# Altium PCB sla2216.PcbDoc (part 3 of 3) (continued)
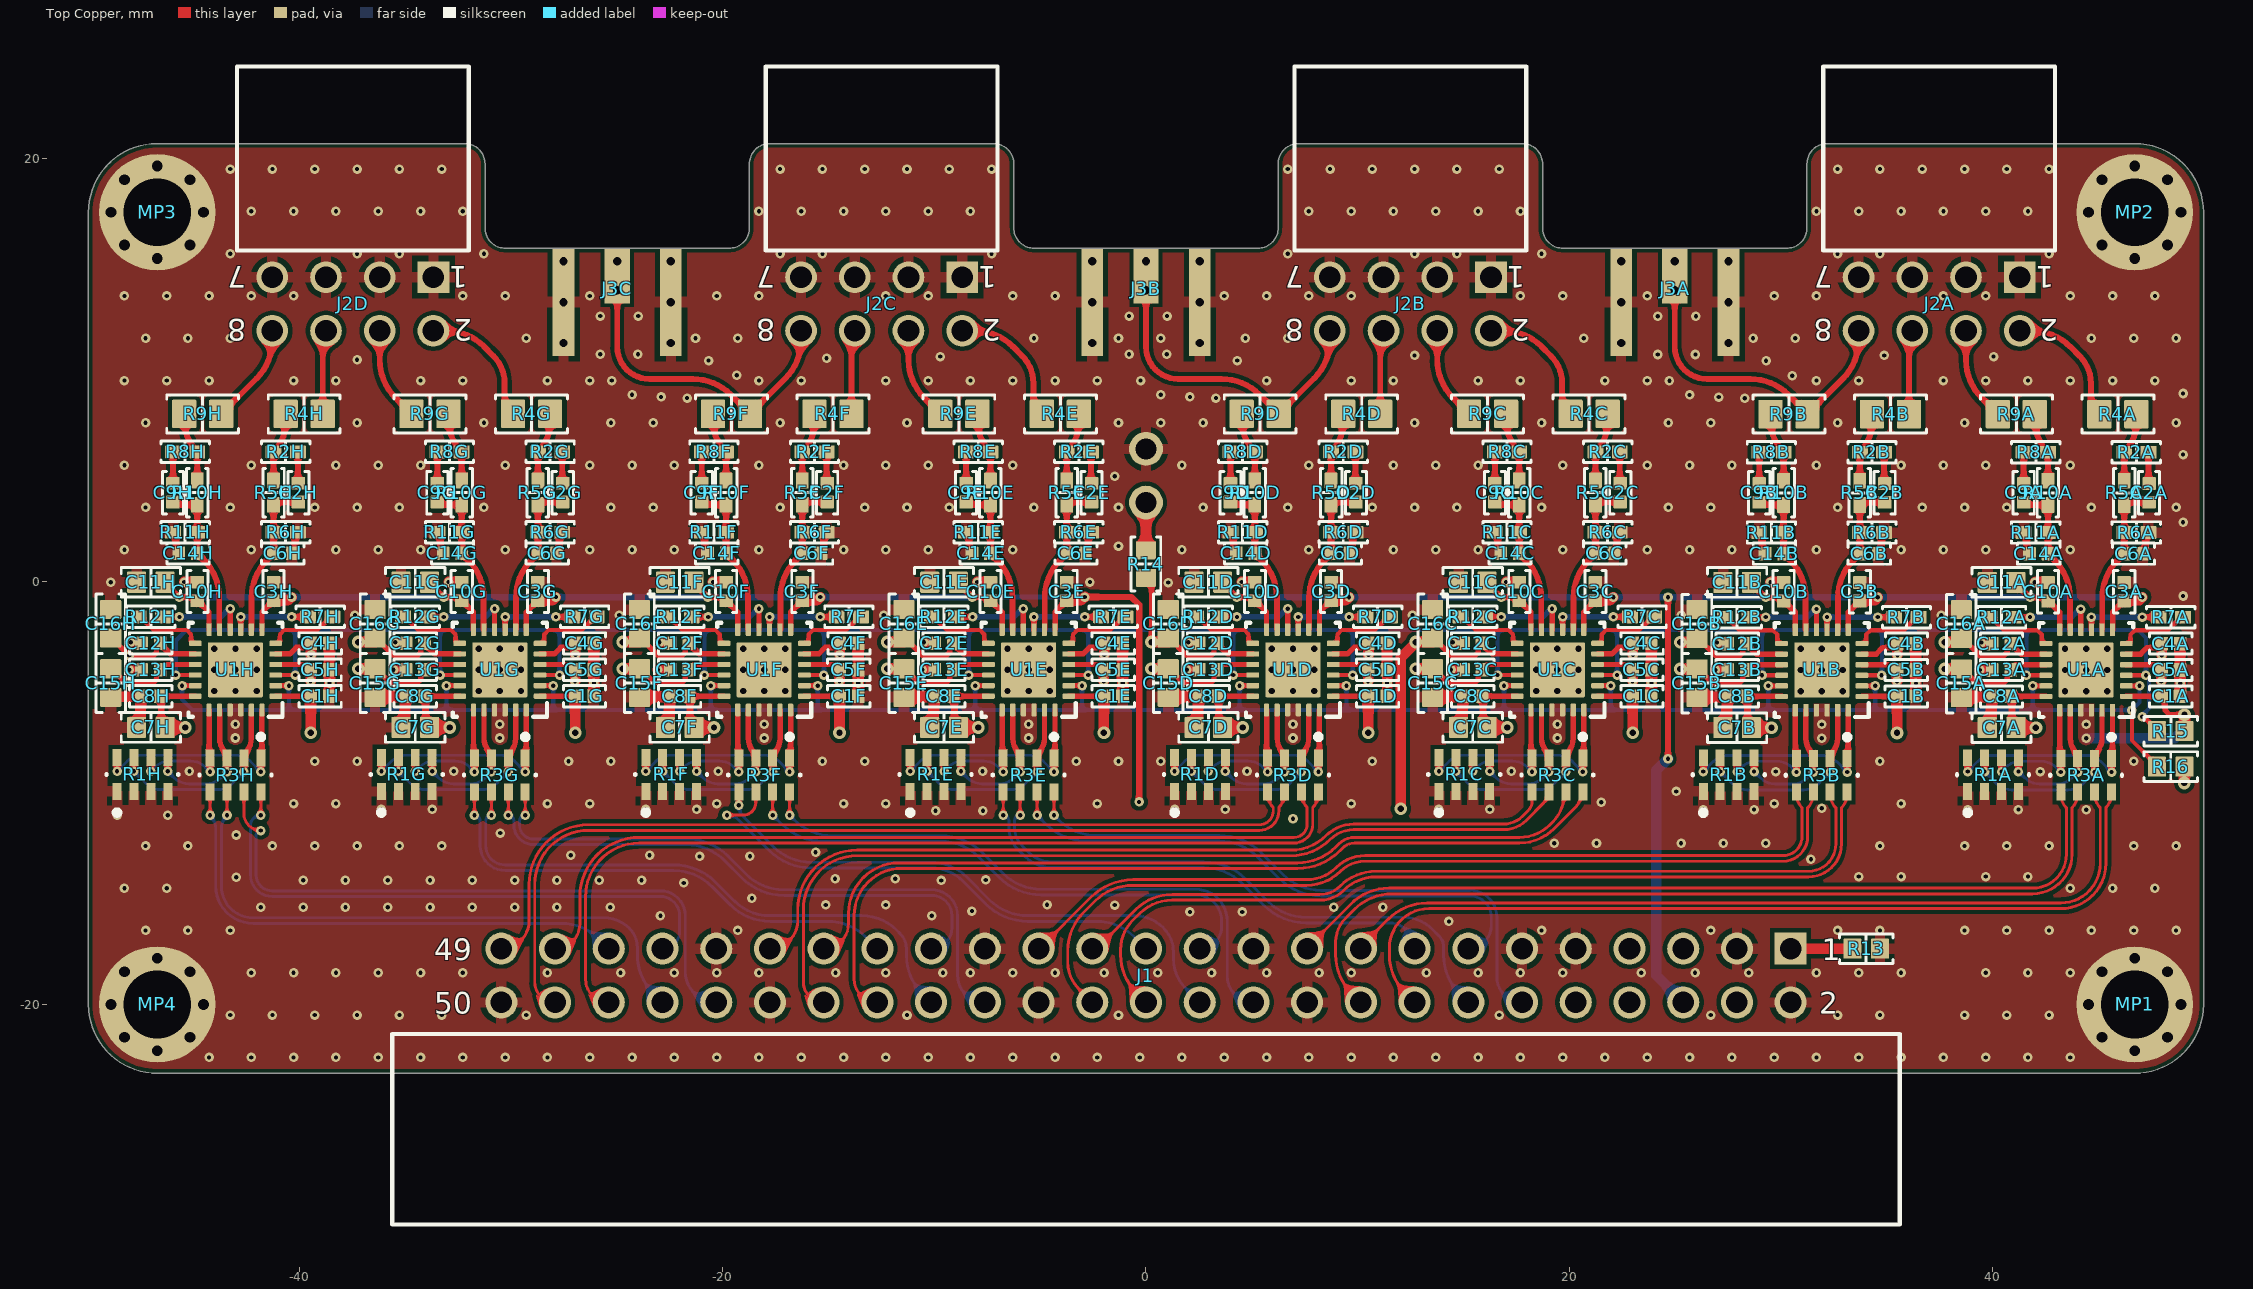
[diagram p0: Top Copper view]
## Nets (pads, with @x,y where several pads share a name; then routed paths per layer and width w, separated by ;. In a path a pad name is that pad's centre, name@x,y a point inside that pad or via, vN(x,y) a via of type N, cw(c..) or ccw(c..) an arc to the next point about the centre after c; other vN are vias at no path point) (continued)
QBD_N: R1D.6 R3D.4 U1D.19 | length 6.7
  Top Copper w0.254: v1(2.95,-8.975) R1D.6@2.95,-8.325 ; U1D.19@5.7,-6.075 U1D.19@5.7,-6.075 5.702,-8.302 R3D.4@5.75,-8.35 v1(5.75,-9)
  Bottom Copper w0.139: v1(2.95,-8.975) 3.144,-8.781 cw(c3.845,-9.481) 3.845,-8.49 4.83,-8.49 cw(c4.83,-9.481) 5.531,-8.781 v1(5.75,-9)
QBD_P: R1D.5 R3D.3 U1D.20 | length 6.9
  Top Copper w0.254: v1(3.75,-8.975) R1D.5@3.75,-8.325 ; U1D.20@6.2,-6.075 6.2,-7.405 ccw(c7.191,-7.405) R3D.3@6.552,-8.163 ; v1(6.55,-9) R3D.3@6.55,-8.165
  Bottom Copper w0.139: v1(3.75,-8.975) 4.05,-9.275 ccw(c4.751,-8.575) 4.751,-9.565 5.574,-9.565 ccw(c5.574,-8.575) 6.275,-9.275 v1(6.55,-9)
QBE_N: R1E.6 R3E.4 U1E.19 | length 6.7
  Top Copper w0.254: v1(-9.55,-8.975) R1E.6@-9.55,-8.325 ; U1E.19@-6.8,-6.075 -6.798,-6.077 -6.798,-8.302 R3E.4@-6.75,-8.35 v1(-6.75,-9)
  Bottom Copper w0.139: v1(-9.55,-8.975) -9.356,-8.781 cw(c-8.655,-9.481) -8.655,-8.49 -7.67,-8.49 cw(c-7.67,-9.481) -6.969,-8.781 v1(-6.75,-9)
QBE_P: R1E.5 R3E.3 U1E.20 | length 6.9
  Top Copper w0.254: v1(-8.75,-8.975) R1E.5@-8.75,-8.325 ; U1E.20@-6.3,-6.075 -6.3,-7.405 ccw(c-5.309,-7.405) R3E.3@-5.948,-8.163 ; v1(-5.95,-9) R3E.3@-5.95,-8.165
  Bottom Copper w0.139: v1(-8.75,-8.975) -8.45,-9.275 ccw(c-7.749,-8.575) -7.749,-9.565 -6.926,-9.565 ccw(c-6.926,-8.575) -6.225,-9.275 v1(-5.95,-9)
QBF_N: R1F.6 R3F.4 U1F.19 | length 6.7
  Top Copper w0.254: v1(-22.05,-8.975) R1F.6@-22.05,-8.325 ; U1F.19@-19.3,-6.075 -19.298,-6.077 -19.298,-8.302 R3F.4@-19.25,-8.35 v1(-19.25,-9)
  Bottom Copper w0.139: v1(-22.05,-8.975) -21.856,-8.781 cw(c-21.155,-9.481) -21.155,-8.49 -20.17,-8.49 cw(c-20.17,-9.481) -19.469,-8.781 v1(-19.25,-9)
QBF_P: R1F.5 R3F.3 U1F.20 | length 6.9
  Top Copper w0.254: v1(-21.25,-8.975) R1F.5@-21.25,-8.325 ; U1F.20@-18.8,-6.075 -18.8,-7.405 ccw(c-17.809,-7.405) R3F.3@-18.448,-8.163 ; v1(-18.45,-9) R3F.3@-18.45,-8.165
  Bottom Copper w0.139: v1(-21.25,-8.975) -20.95,-9.275 ccw(c-20.249,-8.575) -20.249,-9.565 -19.426,-9.565 ccw(c-19.426,-8.575) -18.725,-9.275 v1(-18.45,-9)
QBG_N: R1G.6 R3G.4 U1G.19 | length 6.7
  Top Copper w0.254: v1(-34.55,-8.975) R1G.6@-34.55,-8.325 ; U1G.19@-31.8,-6.075 -31.798,-6.077 -31.798,-8.302 R3G.4@-31.75,-8.35 v1(-31.75,-9)
  Bottom Copper w0.139: v1(-34.55,-8.975) -34.356,-8.781 cw(c-33.655,-9.481) -33.655,-8.49 -32.67,-8.49 cw(c-32.67,-9.481) -31.969,-8.781 v1(-31.75,-9)
QBG_P: R1G.5 R3G.3 U1G.20 | length 6.9
  Top Copper w0.254: v1(-33.75,-8.975) R1G.5@-33.75,-8.325 ; U1G.20@-31.3,-6.075 -31.3,-7.405 ccw(c-30.309,-7.405) R3G.3@-30.948,-8.163 ; v1(-30.95,-9) R3G.3@-30.95,-8.165
  Bottom Copper w0.139: v1(-33.75,-8.975) -33.45,-9.275 ccw(c-32.749,-8.575) -32.749,-9.565 -31.926,-9.565 ccw(c-31.926,-8.575) -31.225,-9.275 v1(-30.95,-9)
QBH_N: R1H.6 R3H.4 U1H.19 | length 6.7
  Top Copper w0.254: v1(-47.05,-8.975) R1H.6@-47.05,-8.325 ; U1H.19@-44.3,-6.075 U1H.19@-44.3,-6.075 -44.298,-8.302 R3H.4@-44.25,-8.35 v1(-44.25,-9)
  Bottom Copper w0.139: v1(-47.05,-8.975) -46.856,-8.781 cw(c-46.155,-9.481) -46.155,-8.49 -45.17,-8.49 cw(c-45.17,-9.481) -44.469,-8.781 v1(-44.25,-9)
QBH_P: R1H.5 R3H.3 U1H.20 | length 6.9
  Top Copper w0.254: v1(-46.25,-8.975) R1H.5@-46.25,-8.325 ; U1H.20@-43.8,-6.075 -43.8,-7.405 ccw(c-42.809,-7.405) R3H.3@-43.448,-8.163 ; v1(-43.45,-9) R3H.3@-43.45,-8.165
  Bottom Copper w0.139: v1(-46.25,-8.975) -45.95,-9.275 ccw(c-45.249,-8.575) -45.249,-9.565 -44.426,-9.565 ccw(c-44.426,-8.575) -43.725,-9.275 v1(-43.45,-9)
RHREFAA: R7A.1 U1A.9 | length 3.8
  Top Copper w0.254: U1A.9@44.7,-2.285 v1(44.7,-1.685) ; v1(47.1,-1.685) R7A.1@47.88,-1.685
  Bottom Copper w0.254: v1(44.7,-1.685) v1(47.1,-1.685)
RHREFAB: R7B.1 U1B.9 | length 3.8
  Top Copper w0.254: U1B.9@32.2,-2.285 v1(32.2,-1.685) ; v1(34.6,-1.685) R7B.1@35.38,-1.685
  Bottom Copper w0.254: v1(32.2,-1.685) v1(34.6,-1.685)
RHREFAC: R7C.1 U1C.9 | length 3.8
  Top Copper w0.254: U1C.9@19.7,-2.275 v1(19.7,-1.675) ; v1(22.1,-1.675) R7C.1@22.88,-1.675
  Bottom Copper w0.254: v1(19.7,-1.675) v1(22.1,-1.675)
RHREFAD: R7D.1 U1D.9 | length 3.8
  Top Copper w0.254: U1D.9@7.2,-2.275 v1(7.2,-1.675) ; v1(9.6,-1.675) R7D.1@10.38,-1.675
  Bottom Copper w0.254: v1(7.2,-1.675) v1(9.6,-1.675)
RHREFAE: R7E.1 U1E.9 | length 3.8
  Top Copper w0.254: U1E.9@-5.3,-2.275 v1(-5.3,-1.675) ; v1(-2.9,-1.675) R7E.1@-2.12,-1.675
  Bottom Copper w0.254: v1(-5.3,-1.675) v1(-2.9,-1.675)
RHREFAF: R7F.1 U1F.9 | length 3.8
  Top Copper w0.254: U1F.9@-17.8,-2.275 v1(-17.8,-1.675) ; v1(-15.4,-1.675) R7F.1@-14.62,-1.675
  Bottom Copper w0.254: v1(-17.8,-1.675) v1(-15.4,-1.675)
RHREFAG: R7G.1 U1G.9 | length 3.8
  Top Copper w0.254: U1G.9@-30.3,-2.275 v1(-30.3,-1.675) ; v1(-27.9,-1.675) R7G.1@-27.12,-1.675
  Bottom Copper w0.254: v1(-30.3,-1.675) v1(-27.9,-1.675)
RHREFAH: R7H.1 U1H.9 | length 3.8
  Top Copper w0.254: U1H.9@-42.8,-2.275 v1(-42.8,-1.675) ; v1(-40.4,-1.675) R7H.1@-39.62,-1.675
  Bottom Copper w0.254: v1(-42.8,-1.675) v1(-40.4,-1.675)
RHREFBA: R12A.1 U1A.10 | length 4.3
  Top Copper w0.254: R12A.1@41.02,-1.685 v1(41.8,-1.685) ; U1A.10@44.2,-2.285 v1(44.2,-1.304)
  Bottom Copper w0.254: v1(41.8,-1.685) 43.766,-1.685 44.147,-1.304 v1(44.2,-1.304)
RHREFBB: R12B.1 U1B.10 | length 4.3
  Top Copper w0.254: R12B.1@28.52,-1.685 v1(29.3,-1.685) ; U1B.10@31.7,-2.285 v1(31.7,-1.304)
  Bottom Copper w0.254: v1(29.3,-1.685) 31.266,-1.685 31.647,-1.304 v1(31.7,-1.304)
RHREFBC: R12C.1 U1C.10 | length 4.3
  Top Copper w0.254: R12C.1@16.02,-1.675 v1(16.8,-1.675) ; U1C.10@19.2,-2.275 v1(19.2,-1.294)
  Bottom Copper w0.254: v1(16.8,-1.675) 18.766,-1.675 19.147,-1.294 v1(19.2,-1.294)
RHREFBD: R12D.1 U1D.10 | length 4.3
  Top Copper w0.254: R12D.1@3.52,-1.675 v1(4.3,-1.675) ; U1D.10@6.7,-2.275 v1(6.7,-1.294)
  Bottom Copper w0.254: v1(4.3,-1.675) 6.266,-1.675 6.647,-1.294 v1(6.7,-1.294)
RHREFBE: R12E.1 U1E.10 | length 4.3
  Top Copper w0.254: R12E.1@-8.98,-1.675 v1(-8.2,-1.675) ; U1E.10@-5.8,-2.275 v1(-5.8,-1.294)
  Bottom Copper w0.254: v1(-8.2,-1.675) -6.234,-1.675 -5.853,-1.294 v1(-5.8,-1.294)
RHREFBF: R12F.1 U1F.10 | length 4.3
  Top Copper w0.254: R12F.1@-21.48,-1.675 v1(-20.7,-1.675) ; U1F.10@-18.3,-2.275 v1(-18.3,-1.294)
  Bottom Copper w0.254: v1(-20.7,-1.675) -18.734,-1.675 -18.353,-1.294 v1(-18.3,-1.294)
RHREFBG: R12G.1 U1G.10 | length 4.3
  Top Copper w0.254: R12G.1@-33.98,-1.675 v1(-33.2,-1.675) ; U1G.10@-30.8,-2.275 v1(-30.8,-1.294)
  Bottom Copper w0.254: v1(-33.2,-1.675) -31.234,-1.675 -30.853,-1.294 v1(-30.8,-1.294)
RHREFBH: R12H.1 U1H.10 | length 4.3
  Top Copper w0.254: R12H.1@-46.48,-1.675 v1(-45.7,-1.675) ; U1H.10@-43.3,-2.275 v1(-43.3,-1.294)
  Bottom Copper w0.254: v1(-45.7,-1.675) -43.734,-1.675 -43.353,-1.294 v1(-43.3,-1.294)
RHYSAA: R7A.2 U1A.6 | length 3.4
  Top Copper w0.2: U1A.6@46.35,-2.935 46.525,-2.935 46.55,-2.91 46.55,-2.51 46.75,-2.31 48.325,-2.31 48.95,-1.685 R7A.2@49.025,-1.685
RHYSAB: R7B.2 U1B.6 | length 3.4
  Top Copper w0.2: U1B.6@33.85,-2.935 34.025,-2.935 34.05,-2.91 34.05,-2.51 34.25,-2.31 35.825,-2.31 36.45,-1.685 R7B.2@36.525,-1.685
RHYSAC: R7C.2 U1C.6 | length 3.4
  Top Copper w0.2: U1C.6@21.35,-2.925 21.525,-2.925 21.55,-2.9 21.55,-2.5 21.75,-2.3 23.325,-2.3 23.95,-1.675 R7C.2@24.025,-1.675
RHYSAD: R7D.2 U1D.6 | length 3.4
  Top Copper w0.2: U1D.6@8.85,-2.925 9.025,-2.925 9.05,-2.9 9.05,-2.5 9.25,-2.3 10.825,-2.3 11.45,-1.675 R7D.2@11.525,-1.675
RHYSAE: R7E.2 U1E.6 | length 3.4
  Top Copper w0.2: U1E.6@-3.65,-2.925 -3.475,-2.925 -3.45,-2.9 -3.45,-2.5 -3.25,-2.3 -1.675,-2.3 -1.05,-1.675 R7E.2@-0.975,-1.675
RHYSAF: R7F.2 U1F.6 | length 3.4
  Top Copper w0.2: U1F.6@-16.15,-2.925 -15.975,-2.925 -15.95,-2.9 -15.95,-2.5 -15.75,-2.3 -14.175,-2.3 -13.55,-1.675 R7F.2@-13.475,-1.675
RHYSAG: R7G.2 U1G.6 | length 3.4
  Top Copper w0.2: U1G.6@-28.65,-2.925 -28.475,-2.925 -28.45,-2.9 -28.45,-2.5 -28.25,-2.3 -26.675,-2.3 -26.05,-1.675 R7G.2@-25.975,-1.675
RHYSAH: R7H.2 U1H.6 | length 3.4
  Top Copper w0.2: U1H.6@-41.15,-2.925 -40.975,-2.925 -40.95,-2.9 -40.95,-2.5 -40.75,-2.3 -39.175,-2.3 -38.55,-1.675 R7H.2@-38.475,-1.675
RHYSBA: R12A.2 U1A.13 | length 3.4
  Top Copper w0.2: R12A.2@39.875,-1.685 39.95,-1.685 40.575,-2.31 42.15,-2.31 42.35,-2.51 42.35,-2.91 42.375,-2.935 U1A.13@42.55,-2.935
RHYSBB: R12B.2 U1B.13 | length 3.4
  Top Copper w0.2: R12B.2@27.375,-1.685 27.45,-1.685 28.075,-2.31 29.65,-2.31 29.85,-2.51 29.85,-2.91 29.875,-2.935 U1B.13@30.05,-2.935
RHYSBC: R12C.2 U1C.13 | length 3.4
  Top Copper w0.2: R12C.2@14.875,-1.675 14.95,-1.675 15.575,-2.3 17.15,-2.3 17.35,-2.5 17.35,-2.9 17.375,-2.925 U1C.13@17.55,-2.925
RHYSBD: R12D.2 U1D.13 | length 3.4
  Top Copper w0.2: R12D.2@2.375,-1.675 2.45,-1.675 3.075,-2.3 4.65,-2.3 4.85,-2.5 4.85,-2.9 4.875,-2.925 U1D.13@5.05,-2.925
RHYSBE: R12E.2 U1E.13 | length 3.4
  Top Copper w0.2: R12E.2@-10.125,-1.675 -10.05,-1.675 -9.425,-2.3 -7.85,-2.3 -7.65,-2.5 -7.65,-2.9 -7.625,-2.925 U1E.13@-7.45,-2.925
RHYSBF: R12F.2 U1F.13 | length 3.4
  Top Copper w0.2: R12F.2@-22.625,-1.675 -22.55,-1.675 -21.925,-2.3 -20.35,-2.3 -20.15,-2.5 -20.15,-2.9 -20.125,-2.925 U1F.13@-19.95,-2.925
RHYSBG: R12G.2 U1G.13 | length 3.4
  Top Copper w0.2: R12G.2@-35.125,-1.675 -35.05,-1.675 -34.425,-2.3 -32.85,-2.3 -32.65,-2.5 -32.65,-2.9 -32.625,-2.925 U1G.13@-32.45,-2.925
RHYSBH: R12H.2 U1H.13 | length 3.4
  Top Copper w0.2: R12H.2@-47.625,-1.675 -47.55,-1.675 -46.925,-2.3 -45.35,-2.3 -45.15,-2.5 -45.15,-2.9 -45.125,-2.925 U1H.13@-44.95,-2.925
VREF0_7: C3A.2 C3B.2 C3C.2 C3D.2 C10A.2 C10B.2 C10C.2 C10D.2 C11A.1 C11B.1 C11C.1 C11D.1 J1.6 U1A.7 U1A.12 U1B.7 U1B.12 U1C.7 U1C.12 U1D.7 U1D.12 | length 86.8
  Top Copper w0.254: C11D.1@3.625,-0.035 3.625,-0.085 4.282,-0.742 v1(4.3,-0.742) 4.977,-0.742 C10D.2@5.15,-0.915 5.17,-0.915 5.698,-1.443 5.698,-2.273 U1D.12@5.7,-2.275 ; U1D.7@8.2,-2.275 8.202,-2.273 8.202,-1.443 8.73,-0.915 C3D.2@8.75,-0.915 ; C11C.1@16.125,-0.035 16.125,-0.085 16.782,-0.742 v1(16.8,-0.742) 17.477,-0.742 C10C.2@17.65,-0.915 17.67,-0.915 18.198,-1.443 18.198,-2.273 U1C.12@18.2,-2.275 ; U1C.7@20.7,-2.275 20.702,-2.273 20.702,-1.443 C3C.2@21.23,-0.915 ; C11B.1@28.625,-0.045 28.625,-0.095 29.282,-0.752 v1(29.3,-0.752) 29.977,-0.752 C10B.2@30.15,-0.925 30.17,-0.925 30.698,-1.453 30.698,-2.283 U1B.12@30.7,-2.285 ; U1B.7@33.2,-2.285 33.202,-2.283 33.202,-1.453 C3B.2@33.73,-0.925 ; C11A.1@41.125,-0.045 41.125,-0.095 41.782,-0.752 v1(41.8,-0.752) 42.477,-0.752 C10A.2@42.65,-0.925 42.67,-0.925 43.198,-1.453 U1A.12@43.2,-2.285 U1A.12@43.2,-2.285 ; U1A.7@45.7,-2.285 U1A.7@45.7,-2.285 45.702,-1.453 46.23,-0.925 C3A.2@46.25,-0.925
  Top Copper w0.3: v1(24.68,-8.378) v1(24.68,-0.742)
  Top Copper w0.5: C3D.2@8.75,-0.915 8.8,-0.865 9.477,-0.865 v1(9.6,-0.742) ; C3C.2@21.25,-0.915 21.3,-0.865 21.977,-0.865 v1(22.1,-0.742) ; C3B.2@33.75,-0.925 33.8,-0.875 34.467,-0.875 v1(34.6,-0.742) ; C3A.2@46.25,-0.925 46.3,-0.875 46.967,-0.875 v1(47.1,-0.742)
  Bottom Copper w0.3: v1(4.3,-0.742) v1(9.6,-0.742) v1(16.8,-0.742) v1(22.1,-0.742) v1(24.68,-0.742) v1(34.6,-0.742) v1(47.1,-0.742)
  Bottom Copper w0.5: v1(24.68,-8.378) 24.125,-8.933 24.125,-18.625 J1.6@25.4,-19.9
VREF8_15: C3E.2 C3F.2 C3G.2 C3H.2 C10E.2 C10F.2 C10G.2 C10H.2 C11E.1 C11F.1 C11G.1 C11H.1 J1.5 U1E.7 U1E.12 U1F.7 U1F.12 U1G.7 U1G.12 U1H.7 U1H.12 | length 117.4
  Top Copper w0.254: C11H.1@-46.375,-0.035 -46.375,-0.085 -45.718,-0.742 v1(-45.7,-0.742) -45.023,-0.742 C10H.2@-44.85,-0.915 -44.83,-0.915 -44.302,-1.443 -44.302,-2.273 U1H.12@-44.3,-2.275 ; U1H.7@-41.8,-2.275 -41.798,-2.273 -41.798,-1.443 -41.27,-0.915 C3H.2@-41.25,-0.915 ; C11G.1@-33.875,-0.035 -33.875,-0.085 v1@-33.218,-0.742 ; v1@-33.2,-0.742 -32.523,-0.742 C10G.2@-32.35,-0.915 -32.33,-0.915 -31.802,-1.443 -31.802,-2.273 U1G.12@-31.8,-2.275 ; U1G.7@-29.3,-2.275 -29.298,-2.273 -29.298,-1.443 -28.77,-0.915 C3G.2@-28.75,-0.915 ; C11F.1@-21.375,-0.035 -21.375,-0.085 v1(-20.725,-0.735) -20.718,-0.742 -20.023,-0.742 C10F.2@-19.85,-0.915 -19.83,-0.915 -19.302,-1.443 -19.302,-2.273 U1F.12@-19.3,-2.275 ; U1F.7@-16.8,-2.275 -16.798,-2.273 -16.798,-1.443 -16.27,-0.915 C3F.2@-16.25,-0.915 ; C11E.1@-8.875,-0.035 -8.875,-0.085 v1(-8.225,-0.735) -8.218,-0.742 -7.523,-0.742 C10E.2@-7.35,-0.915 -7.33,-0.915 -6.802,-1.443 -6.802,-2.273 U1E.12@-6.8,-2.275 ; U1E.7@-4.3,-2.275 -4.298,-2.273 -4.298,-1.443 -3.77,-0.915 C3E.2@-3.75,-0.915
  Top Copper w0.3: v1(-2.9,-0.735) -0.69,-0.735 -0.325,-1.1 v1(-0.325,-10.425)
  Top Copper w0.5: C3H.2@-41.25,-0.915 -41.2,-0.865 -40.527,-0.865 v1(-40.4,-0.738) ; C3G.2@-28.75,-0.915 -28.7,-0.865 -28.027,-0.865 v1(-27.9,-0.738) ; C3F.2@-16.25,-0.915 -16.2,-0.865 -15.527,-0.865 v1(-15.4,-0.738) ; C3E.2@-3.75,-0.915 -3.7,-0.865 -3.03,-0.865 v1(-2.9,-0.735)
  Power w0.5: v1(-0.325,-10.425) 1.25,-12 1.25,-20.7 2.008,-21.458 23.567,-21.458 24.125,-20.9 24.125,-18.635 J1.5@25.4,-17.36
  Bottom Copper w0.254: v1(-45.7,-0.742) v1@-45.697,-0.738 ; v1@-8.228,-0.738 v1(-8.225,-0.735) v1(-2.9,-0.735)
  Bottom Copper w0.3: v1@-45.697,-0.738 v1(-40.4,-0.738) v1(-27.9,-0.738) v1(-15.4,-0.738) v1@-8.228,-0.738
  other v1: -33.2,-0.735

## Polygon pours and split planes (outlines as drawn)
GND on Top Copper "NONET_L-01_P-001" (solid, remove dead copper, pour order 142): -50,-20 ccw(c-46.75,-20) -46.75,-23.25 46.75,-23.25 ccw(c46.75,-20) 50,-20 50,17.455 ccw(c46.75,17.455) 46.75,20.705 32.212,20.705 ccw(c32.212,19.743) 31.25,19.743 31.25,16.717 cw(c30.288,16.717) 30.288,15.755 19.712,15.755 cw(c19.712,16.717) 18.75,16.717 18.75,19.743 ccw(c17.788,19.743) 17.788,20.705 7.212,20.705 ccw(c7.212,19.743) 6.25,19.743 6.25,16.717 cw(c5.288,16.717) 5.288,15.755 -5.288,15.755 cw(c-5.288,16.717) -6.25,16.717 -6.25,19.743 ccw(c-7.212,19.743) -7.212,20.705 -17.788,20.705 ccw(c-17.788,19.743) -18.75,19.743 -18.75,16.717 cw(c-19.712,16.717) -19.712,15.755 -30.288,15.755 cw(c-30.288,16.717) -31.25,16.717 -31.25,19.743 ccw(c-32.212,19.743) -32.212,20.705 -46.75,20.705 ccw(c-46.75,17.455) -50,17.455
+2V5 on Top Copper "NONET_L-01_P-001" (solid, remove dead copper, pour order 116): 44.075,-5.785 44.825,-5.785 44.825,-7.36 cw(c44.45,-7.36) 44.45,-7.735 cw(c44.45,-7.36) 44.075,-7.36 44.075,-6.085
+2V5 on Top Copper "NONET_L-01_P-001" (solid, remove dead copper, pour order 118): 31.575,-5.785 32.325,-5.785 32.325,-7.36 cw(c31.95,-7.36) 31.95,-7.735 cw(c31.95,-7.36) 31.575,-7.36 31.575,-6.085
+2V5 on Top Copper "NONET_L-01_P-001" (solid, remove dead copper, pour order 113): 19.075,-5.775 19.825,-5.775 19.825,-7.35 cw(c19.45,-7.35) 19.45,-7.725 cw(c19.45,-7.35) 19.075,-7.35 19.075,-6.075
+2V5 on Top Copper "NONET_L-01_P-001" (solid, remove dead copper, pour order 114): 6.575,-5.775 7.325,-5.775 7.325,-7.35 cw(c6.95,-7.35) 6.95,-7.725 cw(c6.95,-7.35) 6.575,-7.35 6.575,-6.075
+2V5 on Top Copper "NONET_L-01_P-001" (solid, remove dead copper, pour order 117): -5.925,-5.775 -5.175,-5.775 -5.175,-7.35 cw(c-5.55,-7.35) -5.55,-7.725 cw(c-5.55,-7.35) -5.925,-7.35 -5.925,-6.075
+2V5 on Top Copper "NONET_L-01_P-001" (solid, remove dead copper, pour order 119): -18.425,-5.775 -17.675,-5.775 -17.675,-7.35 cw(c-18.05,-7.35) -18.05,-7.725 cw(c-18.05,-7.35) -18.425,-7.35 -18.425,-6.075
+2V5 on Top Copper "NONET_L-01_P-001" (solid, remove dead copper, pour order 115): -30.925,-5.775 -30.175,-5.775 -30.175,-7.35 cw(c-30.55,-7.35) -30.55,-7.725 cw(c-30.55,-7.35) -30.925,-7.35 -30.925,-6.075
+2V5 on Top Copper "NONET_L-01_P-001" (solid, remove dead copper, pour order 112): -43.425,-5.775 -42.675,-5.775 -42.675,-7.35 cw(c-43.05,-7.35) -43.05,-7.725 cw(c-43.05,-7.35) -43.425,-7.35 -43.425,-6.075
+2V5 on Bottom Copper "NONET_L-01_P-001" (solid, remove dead copper, pour order 140): 44.725,-7.088 44.725,-6.781 ccw(c44.319,-6.781) 44.319,-6.375 -45.494,-6.375 ccw(c-45.494,-6.781) -45.9,-6.781 -45.9,-7.16 -45.9,-7.37 ccw(c-45.595,-7.37) -45.595,-7.675 21.059,-7.675 cw(c21.059,-8.666) 22.05,-8.666 22.05,-17.375 ccw(c22.85,-17.375) 22.85,-18.175 ccw(c22.85,-17.375) 23.65,-17.375 23.65,-8.666 cw(c24.641,-8.666) 24.641,-7.675 44.45,-7.675 ccw(c44.45,-7.4) 44.725,-7.4
GND on Bottom Copper "NONET_L-01_P-001" (solid, remove dead copper, pour order 145): -50,-20 ccw(c-46.75,-20) -46.75,-23.25 46.75,-23.25 ccw(c46.75,-20) 50,-20 50,17.455 ccw(c46.75,17.455) 46.75,20.705 32.212,20.705 ccw(c32.212,19.743) 31.25,19.743 31.25,16.717 cw(c30.288,16.717) 30.288,15.755 19.712,15.755 cw(c19.712,16.717) 18.75,16.717 18.75,19.743 ccw(c17.788,19.743) 17.788,20.705 7.212,20.705 ccw(c7.212,19.743) 6.25,19.743 6.25,16.717 cw(c5.288,16.717) 5.288,15.755 -5.288,15.755 cw(c-5.288,16.717) -6.25,16.717 -6.25,19.743 ccw(c-7.212,19.743) -7.212,20.705 -17.788,20.705 ccw(c-17.788,19.743) -18.75,19.743 -18.75,16.717 cw(c-19.712,16.717) -19.712,15.755 -30.288,15.755 cw(c-30.288,16.717) -31.25,16.717 -31.25,19.743 ccw(c-32.212,19.743) -32.212,20.705 -46.75,20.705 ccw(c-46.75,17.455) -50,17.455
-2V5 on Bottom Copper "NONET_L-01_P-001" (solid, remove dead copper, pour order 138): 41.625,-6.085 47.275,-6.085 47.275,-2.31 41.625,-2.31
-2V5 on Bottom Copper "NONET_L-01_P-001" (solid, remove dead copper, pour order 134): 29.125,-6.085 34.775,-6.085 34.775,-2.31 29.125,-2.31
-2V5 on Bottom Copper "NONET_L-01_P-001" (solid, remove dead copper, pour order 137): 16.625,-6.075 22.275,-6.075 22.275,-2.3 16.625,-2.3
-2V5 on Bottom Copper "NONET_L-01_P-001" (solid, remove dead copper, pour order 133): 4.125,-6.075 9.775,-6.075 9.775,-2.3 4.125,-2.3
-2V5 on Bottom Copper "NONET_L-01_P-001" (solid, remove dead copper, pour order 136): -8.375,-6.075 -2.725,-6.075 -2.725,-2.3 -8.375,-2.3
-2V5 on Bottom Copper "NONET_L-01_P-001" (solid, remove dead copper, pour order 139): -20.875,-6.075 -15.225,-6.075 -15.225,-2.3 -20.875,-2.3
-2V5 on Bottom Copper "NONET_L-01_P-001" (solid, remove dead copper, pour order 132): -33.375,-6.075 -27.725,-6.075 -27.725,-2.3 -33.375,-2.3
-2V5 on Bottom Copper "NONET_L-01_P-001" (solid, remove dead copper, pour order 135): -45.875,-6.075 -40.225,-6.075 -40.225,-2.3 -45.875,-2.3
-2V5 on Power "NONET_L-01_P-001" (solid, remove dead copper, pour order 130): 50,-10.3 48.109,-10.3 cw(c48.109,-9.716) 47.525,-9.716 47.525,-8.444 ccw(c46.941,-8.444) 46.941,-7.86 -47.891,-7.86 cw(c-47.891,-7.275) -48.475,-7.275 -48.475,-2.684 cw(c-47.891,-2.684) -47.891,-2.1 50,-2.1
GND on Power "NONET_L-01_P-001" (solid, remove dead copper, pour order 144): -50,-20 ccw(c-46.75,-20) -46.75,-23.25 46.75,-23.25 ccw(c46.75,-20) 50,-20 50,17.455 ccw(c46.75,17.455) 46.75,20.705 32.212,20.705 ccw(c32.212,19.743) 31.25,19.743 31.25,16.717 cw(c30.288,16.717) 30.288,15.755 19.712,15.755 cw(c19.712,16.717) 18.75,16.717 18.75,19.743 ccw(c17.788,19.743) 17.788,20.705 7.212,20.705 ccw(c7.212,19.743) 6.25,19.743 6.25,16.717 cw(c5.288,16.717) 5.288,15.755 -5.288,15.755 cw(c-5.288,16.717) -6.25,16.717 -6.25,19.743 ccw(c-7.212,19.743) -7.212,20.705 -17.788,20.705 ccw(c-17.788,19.743) -18.75,19.743 -18.75,16.717 cw(c-19.712,16.717) -19.712,15.755 -30.288,15.755 cw(c-30.288,16.717) -31.25,16.717 -31.25,19.743 ccw(c-32.212,19.743) -32.212,20.705 -46.75,20.705 ccw(c-46.75,17.455) -50,17.455
no net on Top Paste "NONET_L-01_P-001" (solid): 45.15,17.455 ccw(c46.75,17.455) 46.75,15.855 ccw(c46.75,17.455) 48.35,17.455 ccw(c46.75,17.455) 46.75,19.055 ccw(c46.75,17.455)
no net on Top Paste "NONET_L-01_P-001" (solid): -48.35,17.455 ccw(c-46.75,17.455) -46.75,15.855 ccw(c-46.75,17.455) -45.15,17.455 ccw(c-46.75,17.455) -46.75,19.055 ccw(c-46.75,17.455)
no net on Top Paste "NONET_L-01_P-001" (solid): 45.15,-20 ccw(c46.75,-20) 46.75,-21.6 ccw(c46.75,-20) 48.35,-20 ccw(c46.75,-20) 46.75,-18.4 ccw(c46.75,-20)
no net on Top Paste "NONET_L-01_P-001" (solid): -48.35,-20 ccw(c-46.75,-20) -46.75,-21.6 ccw(c-46.75,-20) -45.15,-20 ccw(c-46.75,-20) -46.75,-18.4 ccw(c-46.75,-20)
GND on Ground "NONET_L-01_P-001" (solid, remove dead copper, pour order 143): -50,-20 ccw(c-46.75,-20) -46.75,-23.25 46.75,-23.25 ccw(c46.75,-20) 50,-20 50,17.455 ccw(c46.75,17.455) 46.75,20.705 32.212,20.705 ccw(c32.212,19.743) 31.25,19.743 31.25,16.717 cw(c30.288,16.717) 30.288,15.755 19.712,15.755 cw(c19.712,16.717) 18.75,16.717 18.75,19.743 ccw(c17.788,19.743) 17.788,20.705 7.212,20.705 ccw(c7.212,19.743) 6.25,19.743 6.25,16.717 cw(c5.288,16.717) 5.288,15.755 -5.288,15.755 cw(c-5.288,16.717) -6.25,16.717 -6.25,19.743 ccw(c-7.212,19.743) -7.212,20.705 -17.788,20.705 ccw(c-17.788,19.743) -18.75,19.743 -18.75,16.717 cw(c-19.712,16.717) -19.712,15.755 -30.288,15.755 cw(c-30.288,16.717) -31.25,16.717 -31.25,19.743 ccw(c-32.212,19.743) -32.212,20.705 -46.75,20.705 ccw(c-46.75,17.455) -50,17.455
-2V5 on Ground "NONET_L-01_P-001" (solid, remove dead copper, pour order 128): 43.15,-5.485 45.75,-5.485 45.75,-2.885 43.15,-2.885
-2V5 on Ground "NONET_L-01_P-001" (solid, remove dead copper, pour order 127): 30.65,-5.485 33.25,-5.485 33.25,-2.885 30.65,-2.885
-2V5 on Ground "NONET_L-01_P-001" (solid, remove dead copper, pour order 123): 18.15,-5.475 20.75,-5.475 20.75,-2.875 18.15,-2.875
-2V5 on Ground "NONET_L-01_P-001" (solid, remove dead copper, pour order 121): 5.65,-5.475 8.25,-5.475 8.25,-2.875 5.65,-2.875
-2V5 on Ground "NONET_L-01_P-001" (solid, remove dead copper, pour order 125): -6.85,-5.475 -4.25,-5.475 -4.25,-2.875 -6.85,-2.875
-2V5 on Ground "NONET_L-01_P-001" (solid, remove dead copper, pour order 124): -19.35,-5.475 -16.75,-5.475 -16.75,-2.875 -19.35,-2.875
-2V5 on Ground "NONET_L-01_P-001" (solid, remove dead copper, pour order 122): -31.85,-5.475 -29.25,-5.475 -29.25,-2.875 -31.85,-2.875
-2V5 on Ground "NONET_L-01_P-001" (solid, remove dead copper, pour order 126): -44.35,-5.475 -41.75,-5.475 -41.75,-2.875 -44.35,-2.875

## Silkscreen, mask and mechanical layers (free items; w line width, h text height)
Bottom Overlay:
  lines w0.254: -6.5,-15.4 6.5,-15.4 6.5,-10.2 -6.5,-10.2 -6.5,-15.4
  text "sla2216 (MSO5xxx)" at 6.5,-12.052 h1.5
  text "mar-2023 (r2)" at 6.5,-13.552 h1.75
  text "JLCJLCJLCJLC" at 6.5,-15.2 h1
Top Mask:
  region: 32.5,16.1 32.5,20.1 42.5,20.1 42.5,16.1
  region: 7.5,16.1 7.5,20.1 17.5,20.1 17.5,16.1
  region: -17.5,16.1 -17.5,20.1 -7.5,20.1 -7.5,16.1
  region: -42.5,16.1 -42.5,20.1 -32.5,20.1 -32.5,16.1
Board:
  lines w0.4: -50,-20 ccw(c-46.75,-20) -46.75,-23.25 46.75,-23.25 ccw(c46.75,-20) 50,-20 50,17.455 ccw(c46.75,17.455) 46.75,20.705 32.212,20.705 ccw(c32.212,19.743) 31.25,19.743 31.25,16.717 cw(c30.288,16.717) 30.288,15.755 29,15.755 21,15.755 19.712,15.755 cw(c19.712,16.717) 18.75,16.717 18.75,19.743 ccw(c17.788,19.743) 17.788,20.705 7.212,20.705 ccw(c7.212,19.743) 6.25,19.743 6.25,16.717 cw(c5.288,16.717) 5.288,15.755 4,15.755 -4,15.755 -5.288,15.755 cw(c-5.288,16.717) -6.25,16.717 -6.25,19.743 ccw(c-7.212,19.743) -7.212,20.705 -17.788,20.705 ccw(c-17.788,19.743) -18.75,19.743 -18.75,16.717 cw(c-19.712,16.717) -19.712,15.755 -21,15.755 -29,15.755 -30.288,15.755 cw(c-30.288,16.717) -31.25,16.717 -31.25,19.743 ccw(c-32.212,19.743) -32.212,20.705 -46.75,20.705 ccw(c-46.75,17.455) -50,17.455 -50,-20
Polys:
  lines w0.254: -42.5,16.1 -32.5,16.1 -32.5,20.1 -42.5,20.1 -42.5,16.1

## Text inside footprints (layer, text, board x,y; h text height)
J1: Top Overlay "2" at 31.84,-20.44 h1.02; Top Overlay "1" at 31.94,-17.9 h1.02; Top Overlay "50" at -33.64,-20.44 h1.02; Top Overlay "49" at -33.64,-17.9 h1.02
J2A: Top Overlay "7" at 32.46,14.9 h1.02 r180; Top Overlay "8" at 32.46,12.4 h1.02 r180; Top Overlay "1" at 42.94,14.9 h1.02 r180; Top Overlay "2" at 43.14,12.4 h1.02 r180
J2B: Top Overlay "7" at 7.46,14.9 h1.02 r180; Top Overlay "8" at 7.46,12.4 h1.02 r180; Top Overlay "1" at 17.94,14.9 h1.02 r180; Top Overlay "2" at 18.14,12.4 h1.02 r180
J2C: Top Overlay "7" at -17.54,14.9 h1.02 r180; Top Overlay "8" at -17.54,12.4 h1.02 r180; Top Overlay "1" at -7.06,14.9 h1.02 r180; Top Overlay "2" at -6.86,12.4 h1.02 r180
J2D: Top Overlay "2" at -31.86,12.4 h1.02 r180; Top Overlay "1" at -32.06,14.9 h1.02 r180; Top Overlay "8" at -42.54,12.4 h1.02 r180; Top Overlay "7" at -42.54,14.9 h1.02 r180
J3A: Top 3D Body "PCB Thickness 1.6mm" at 30.8,34.63 h0.8 r180; Top 3D Body "PCB End" at 25.6,17.03 h0.8 r180
J3B: Top 3D Body "PCB Thickness 1.6mm" at 5.8,34.63 h0.8 r180; Top 3D Body "PCB End" at 0.6,17.03 h0.8 r180
J3C: Top 3D Body "PCB Thickness 1.6mm" at -19.2,34.63 h0.8 r180; Top 3D Body "PCB End" at -24.4,17.03 h0.8 r180
LED1: Mechanical 15 "K" at -0.381,8.048 h0.76 r270; Bottom Overlay "K" at -0.381,8.048 h0.76 r270